# Altium PCB pcb.PcbDoc (part 1 of 4)
Units mm, origin at the board's own origin, x right, y up, seen from the top; angles counter-clockwise.
Board outline 92 x 92 mm, 4 copper layers (L1, L2, L3, L4), stack 1.534 mm thick; 214 components, 261 nets, 929 pads, 637 vias.
Unrouted connection lines stored in the file: 79.
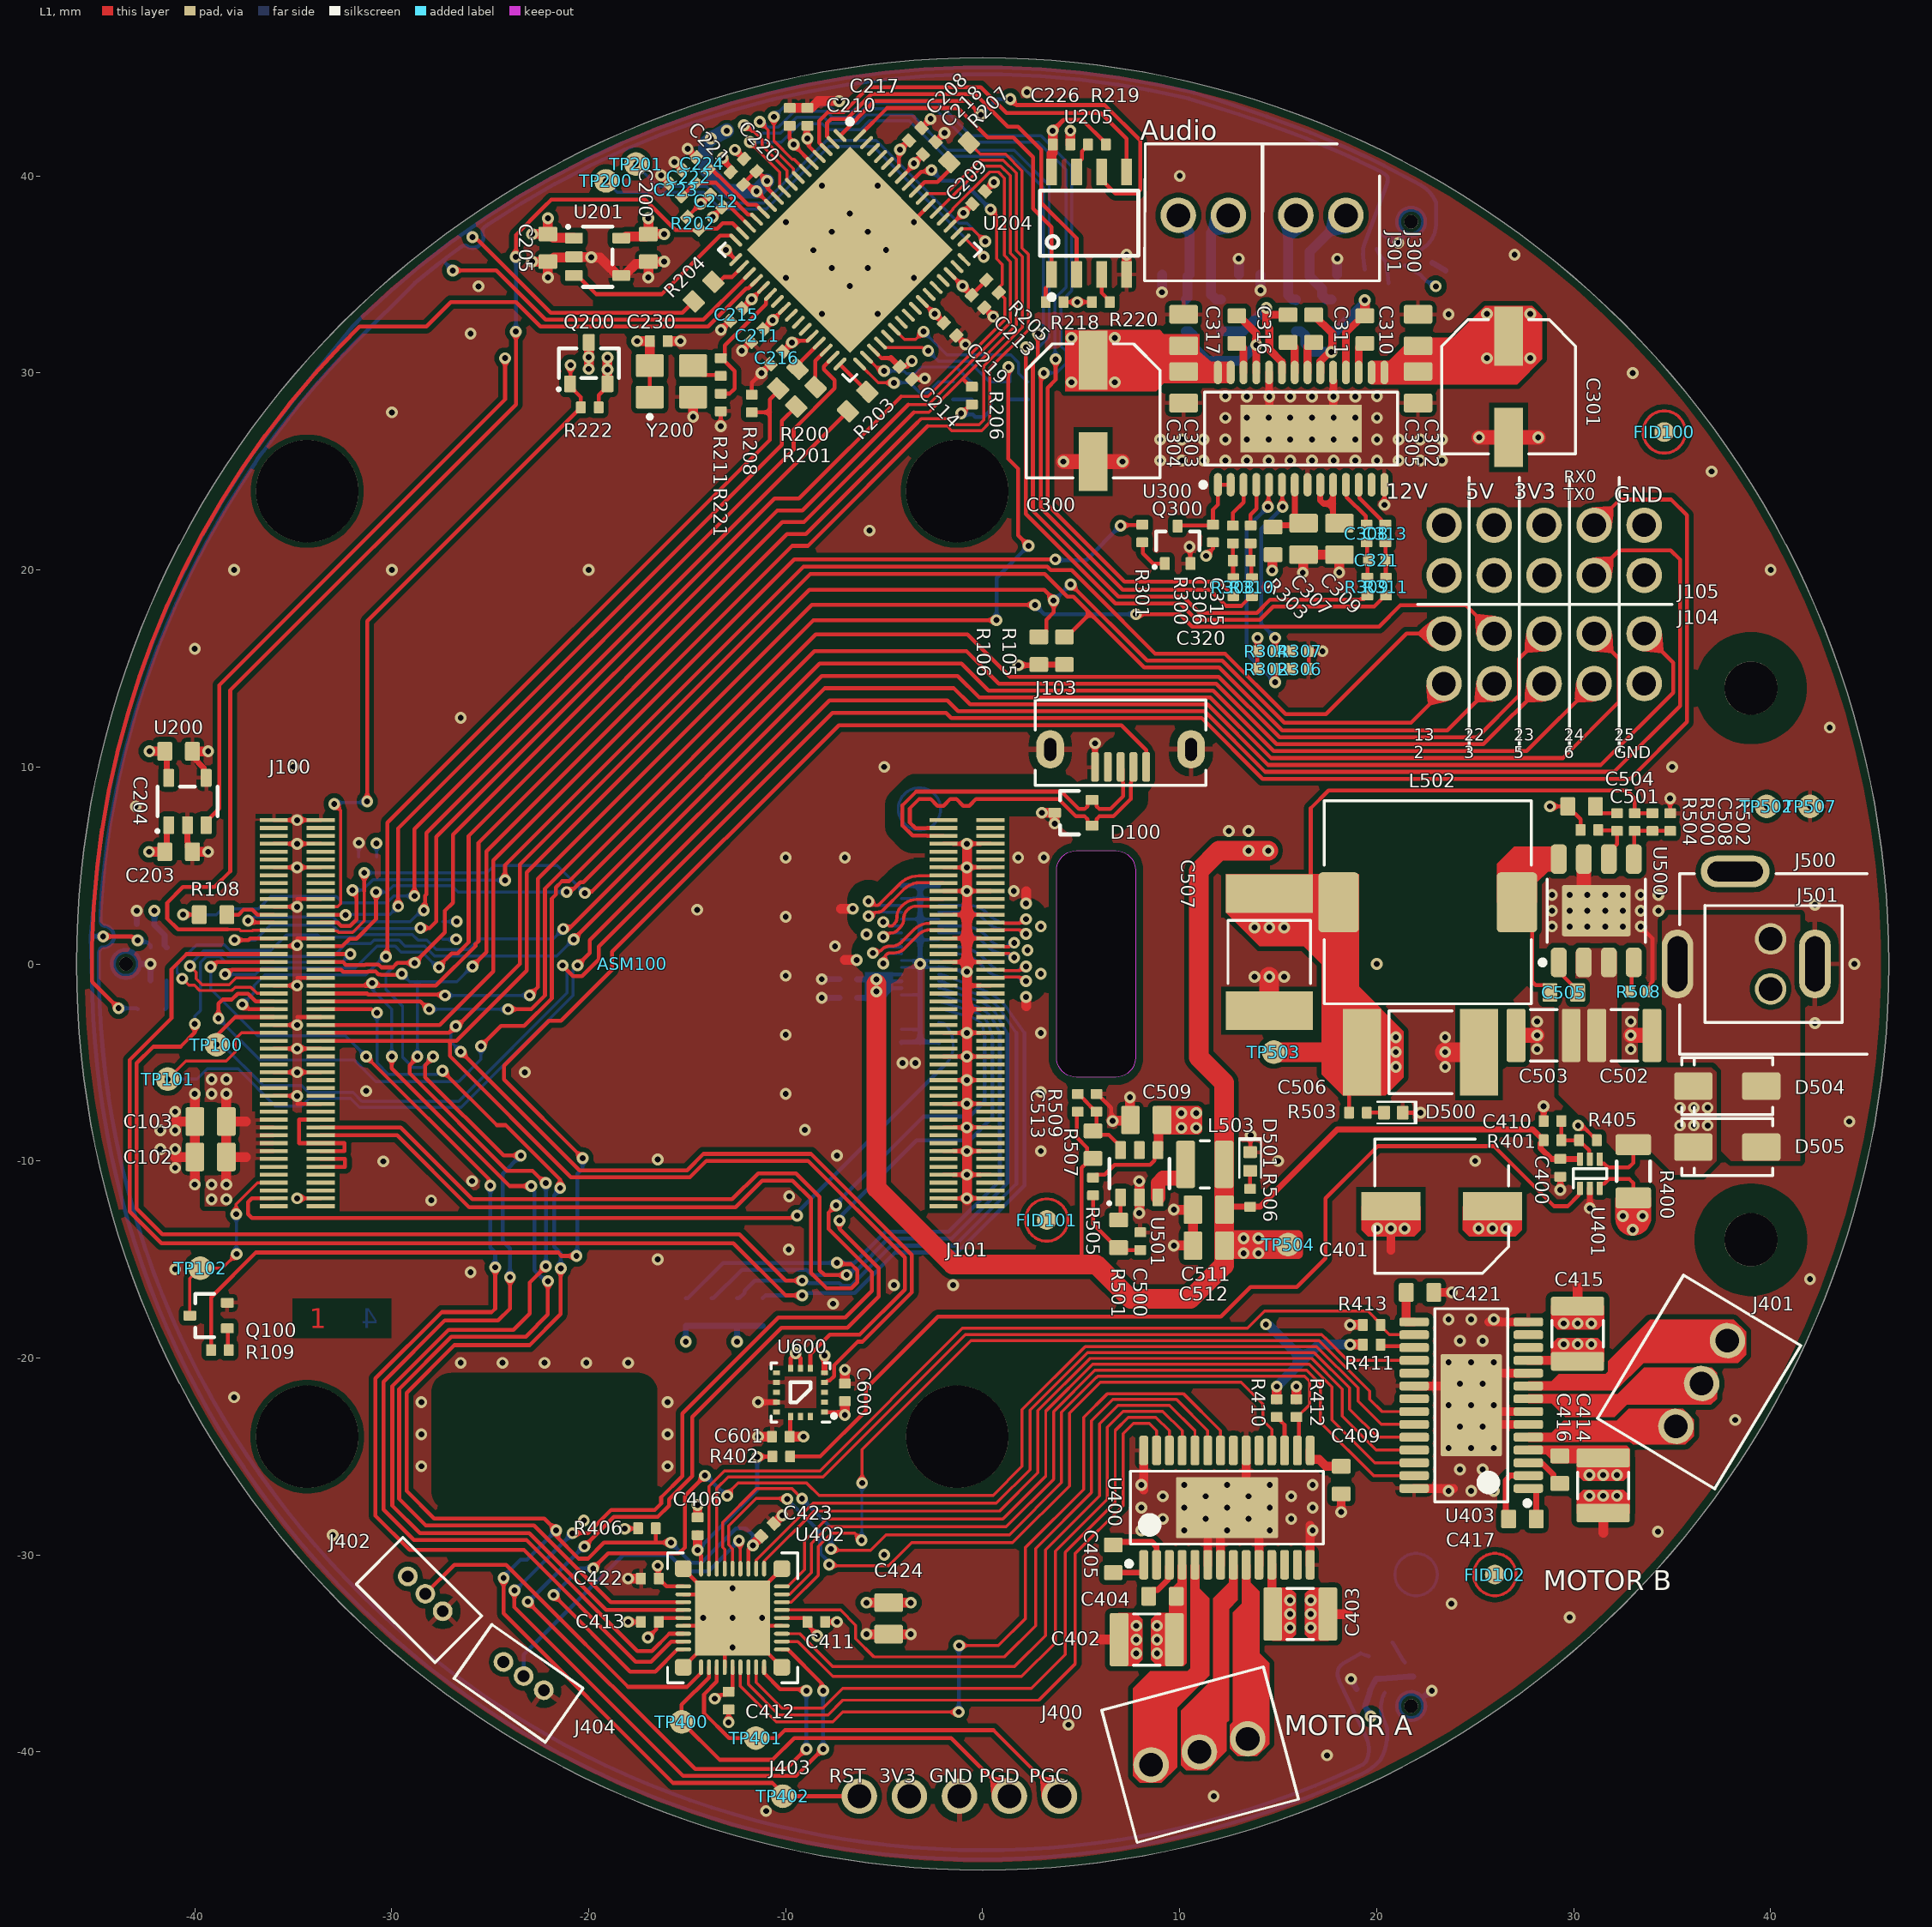
[diagram p0: L1 view]
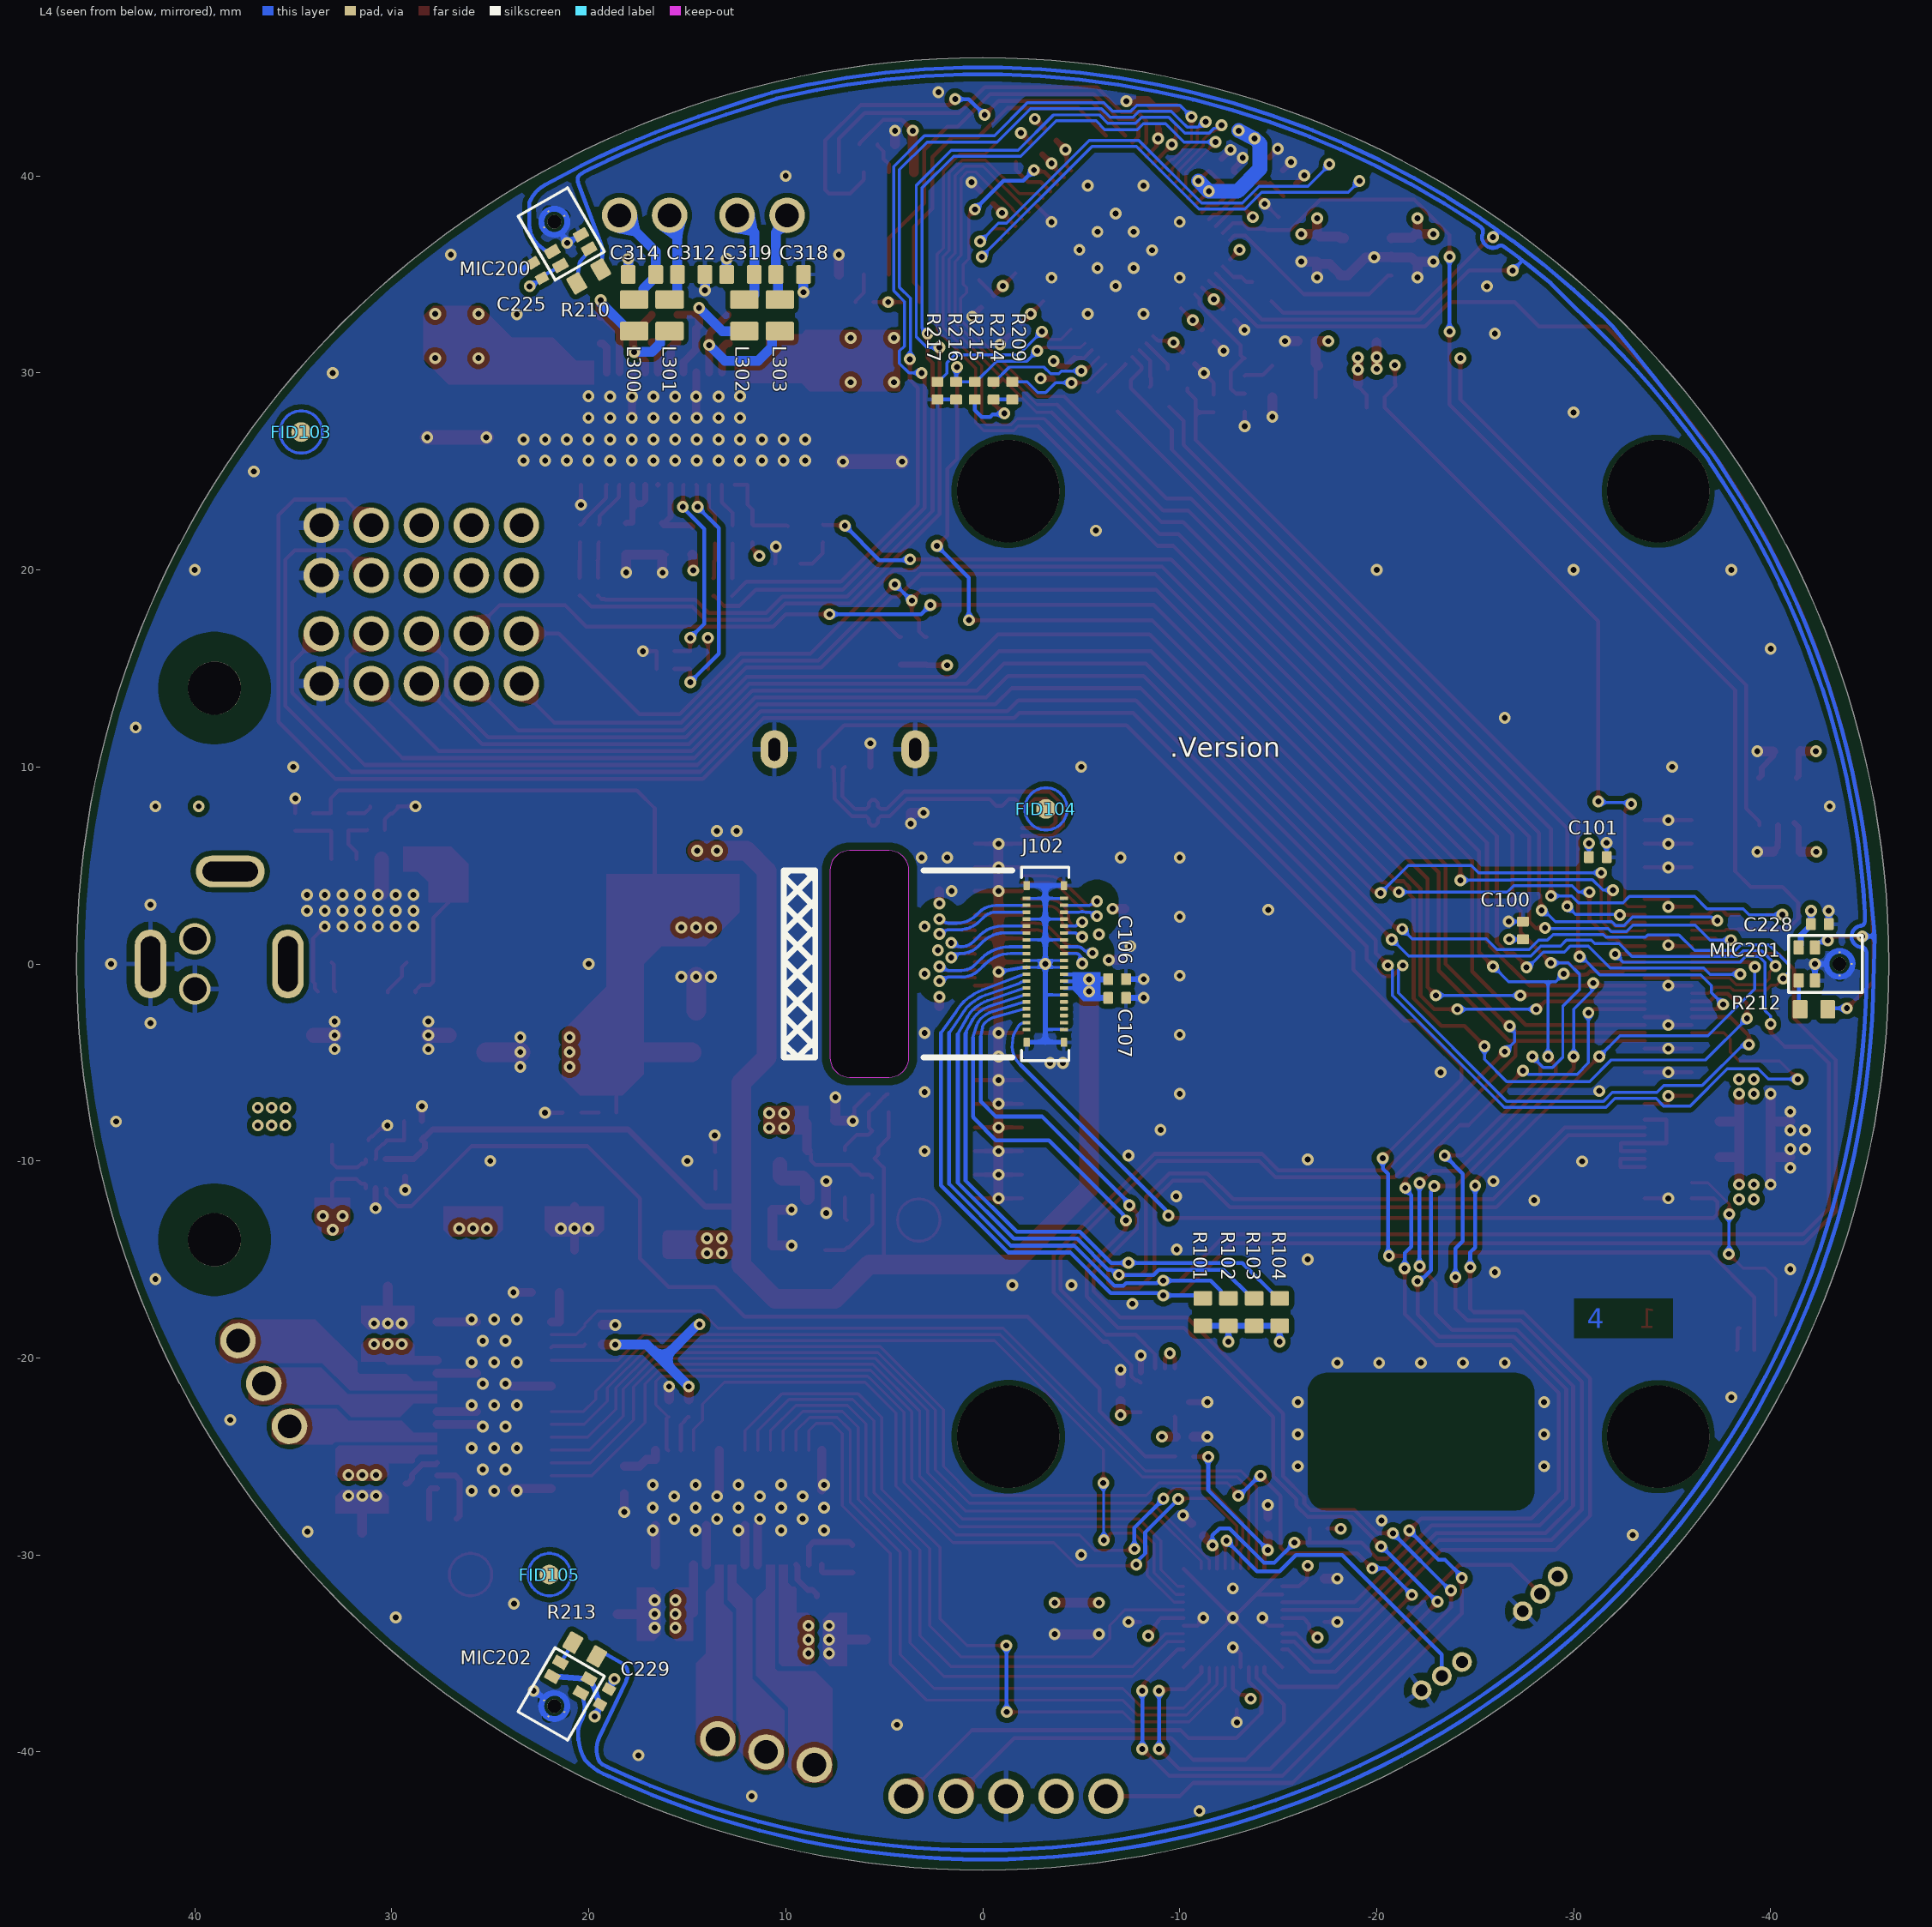
[diagram p1: L4 view, seen from below]
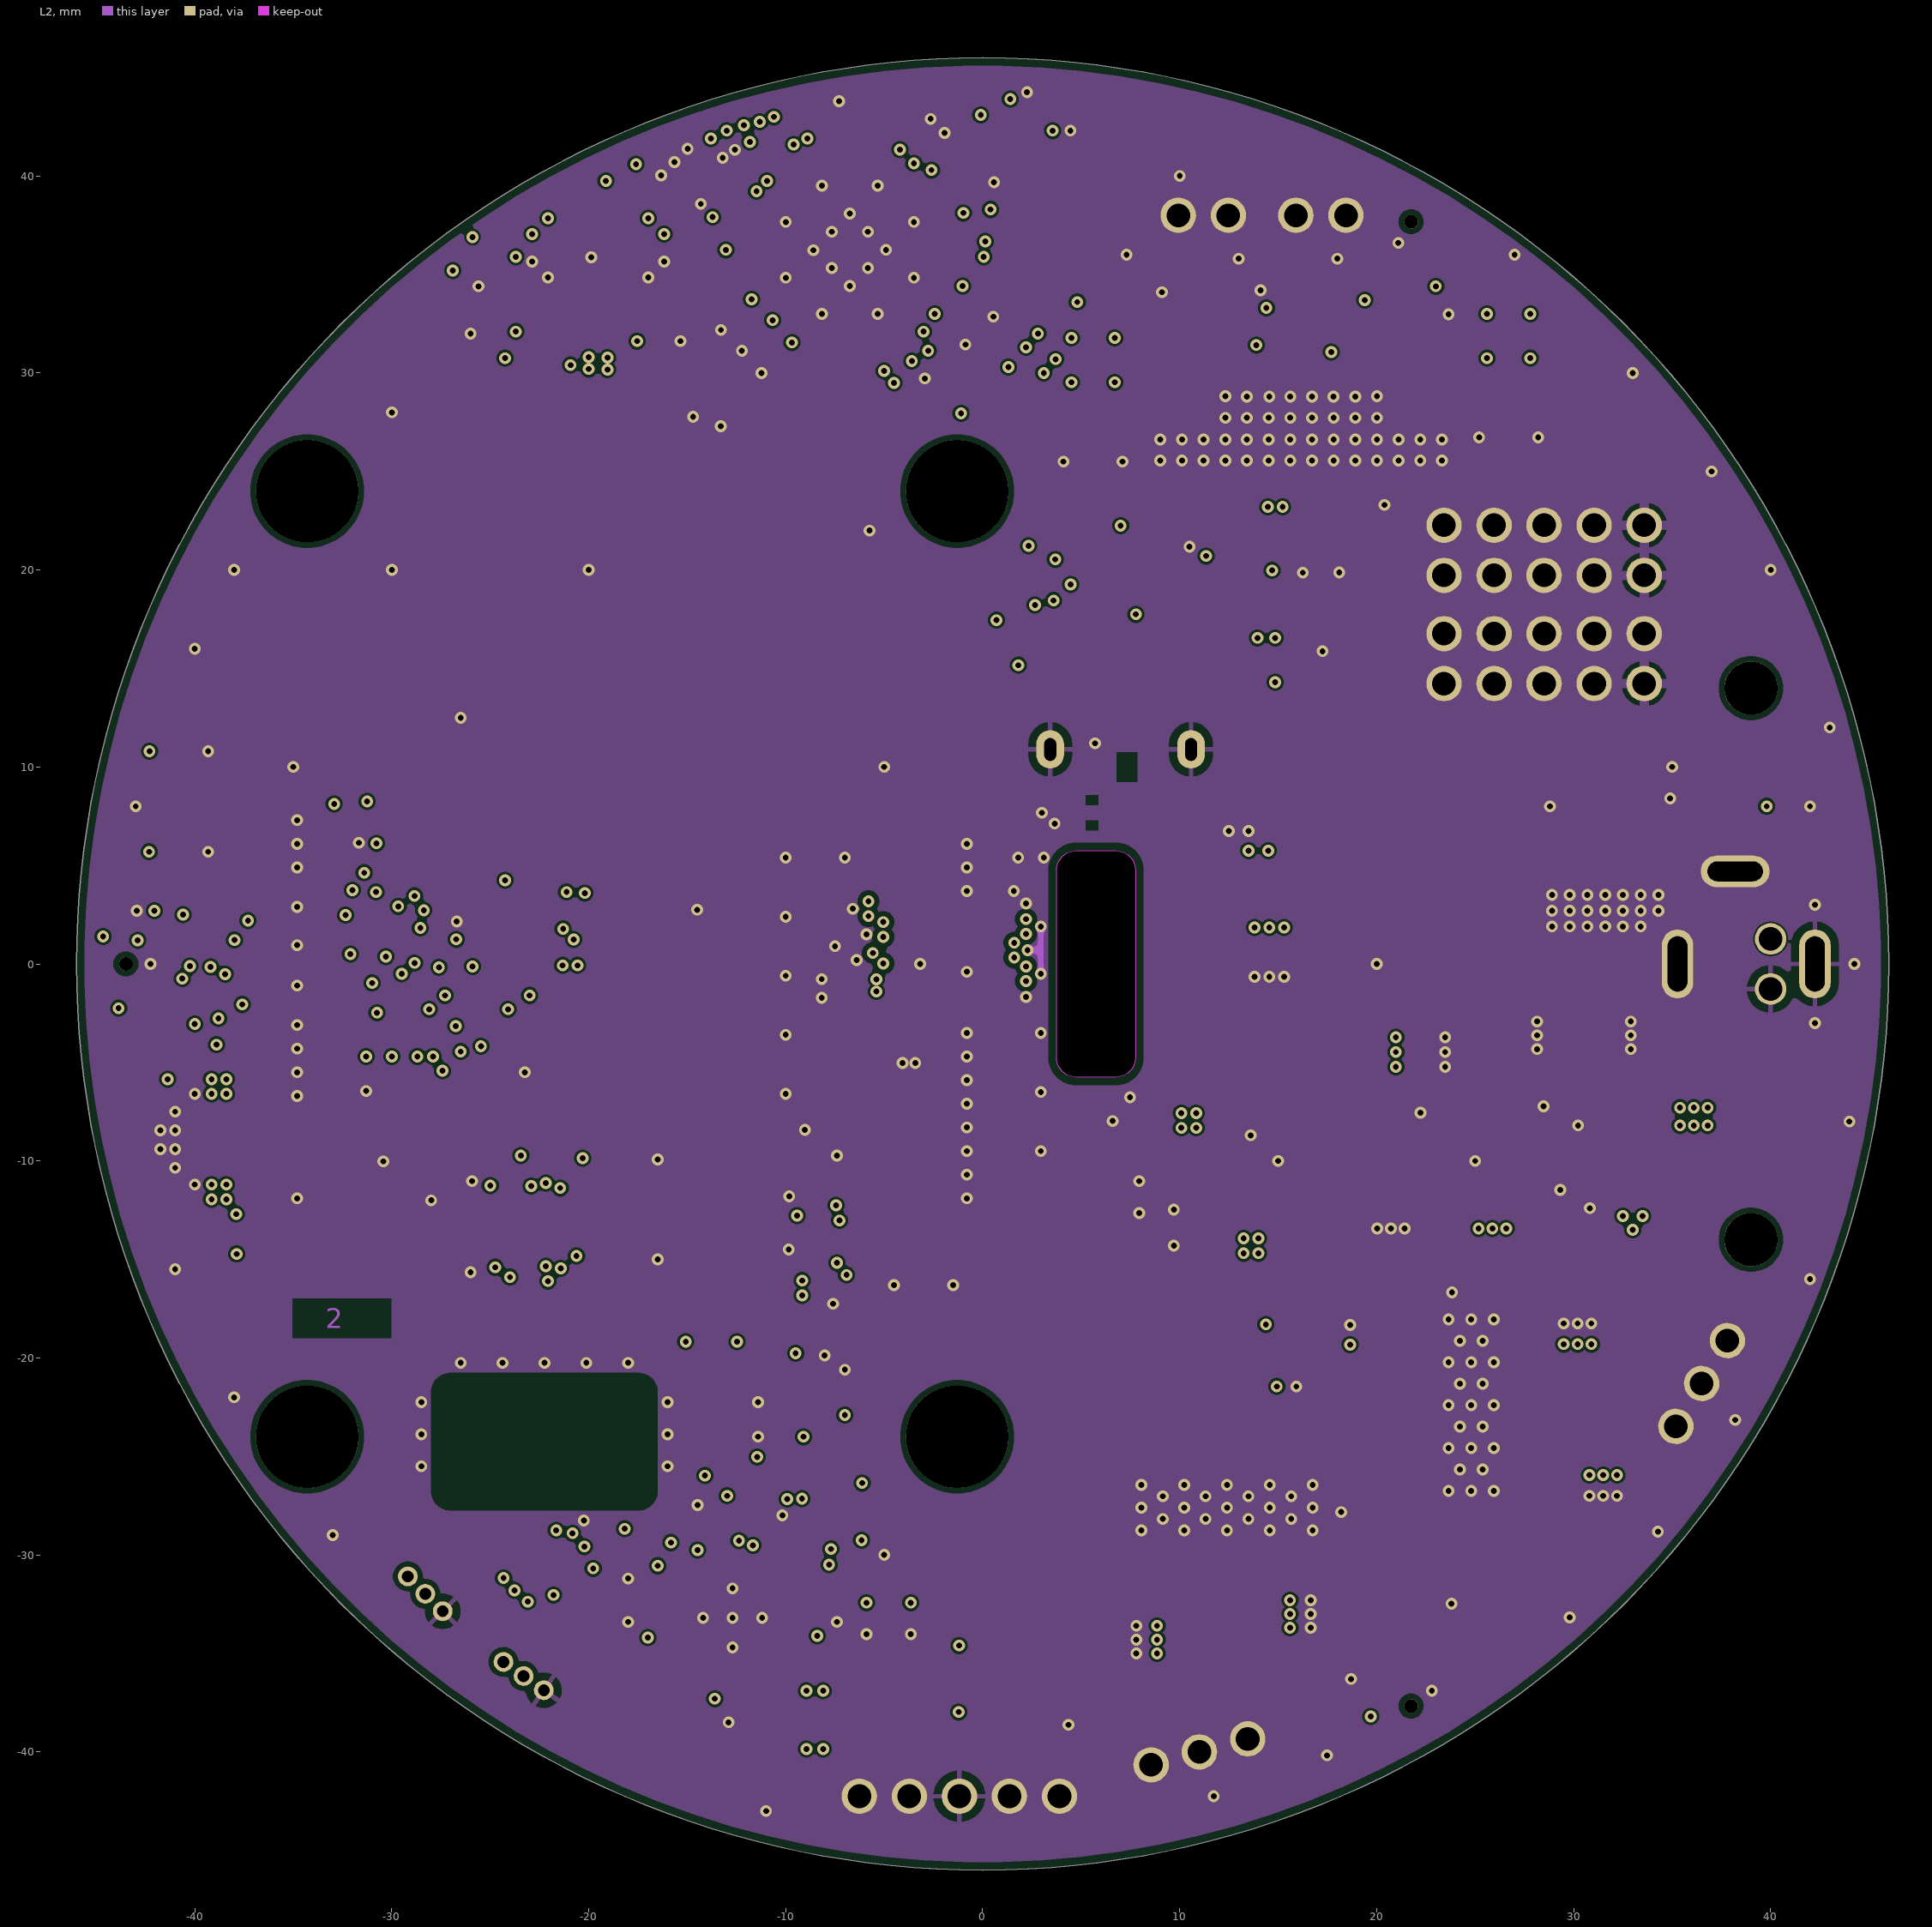
[diagram p2: L2]